# KiCad board Env-KB60C2.kicad_pcb
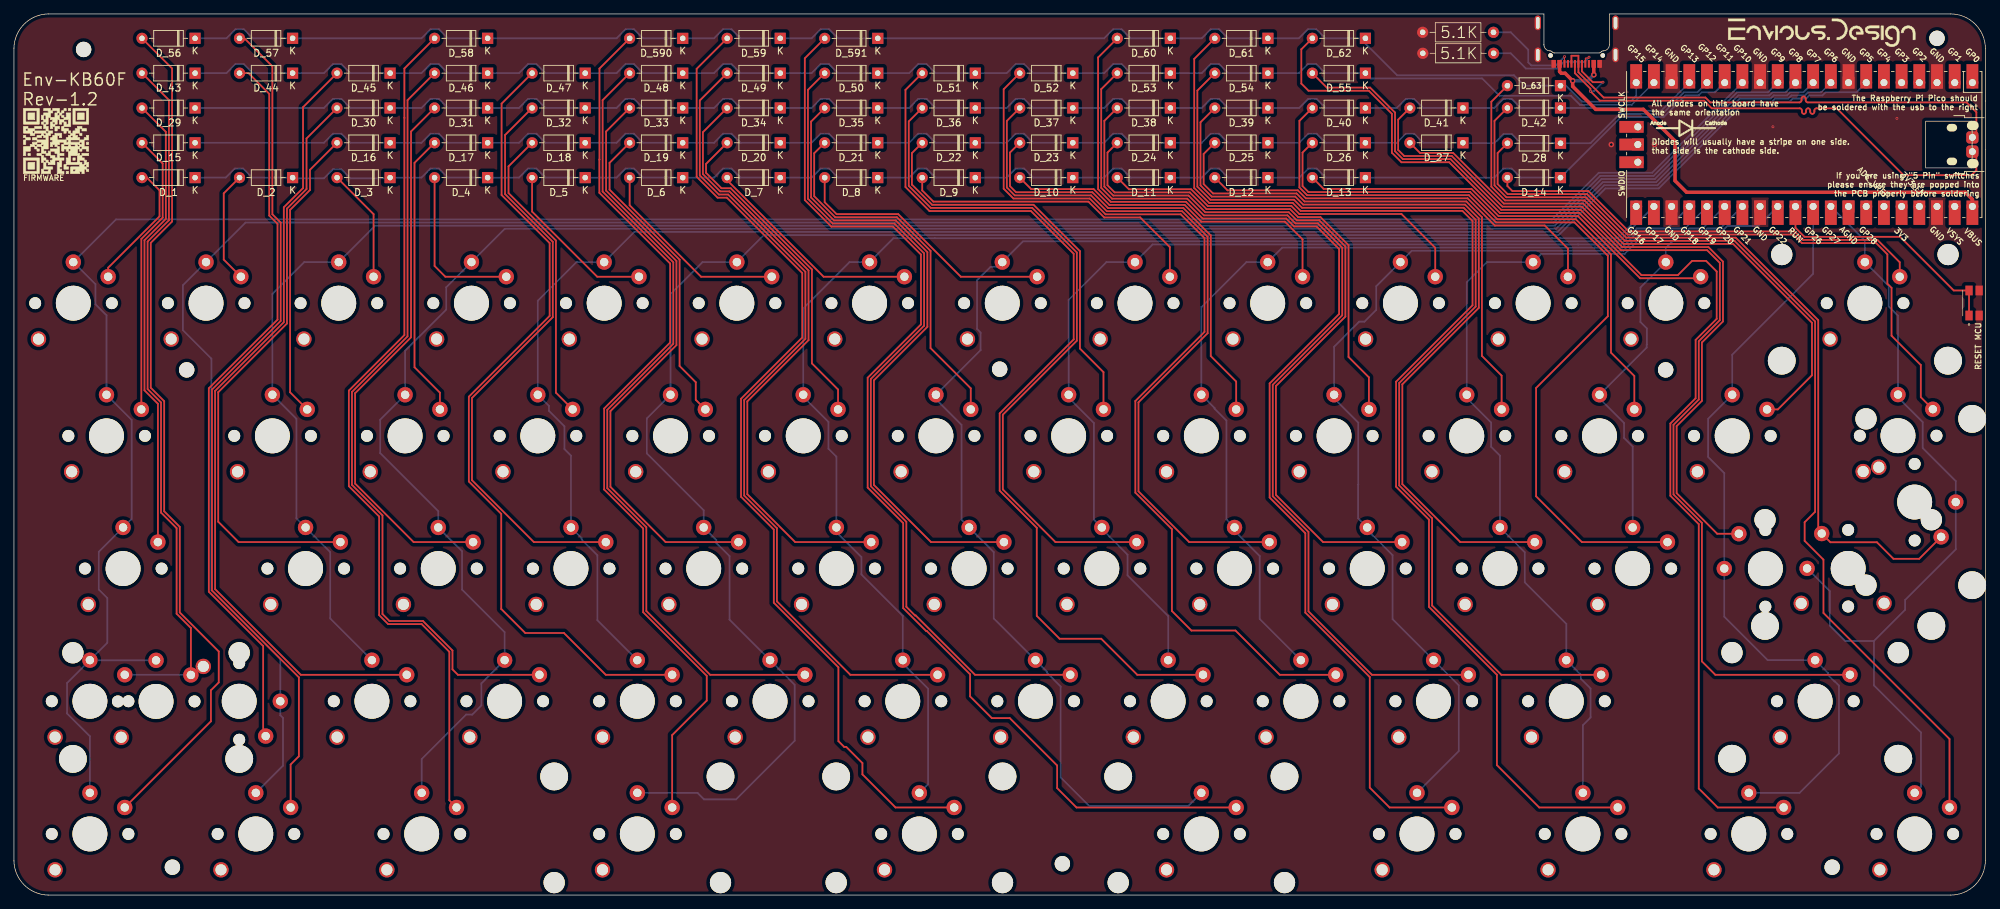
[diagram p0: board, top side]
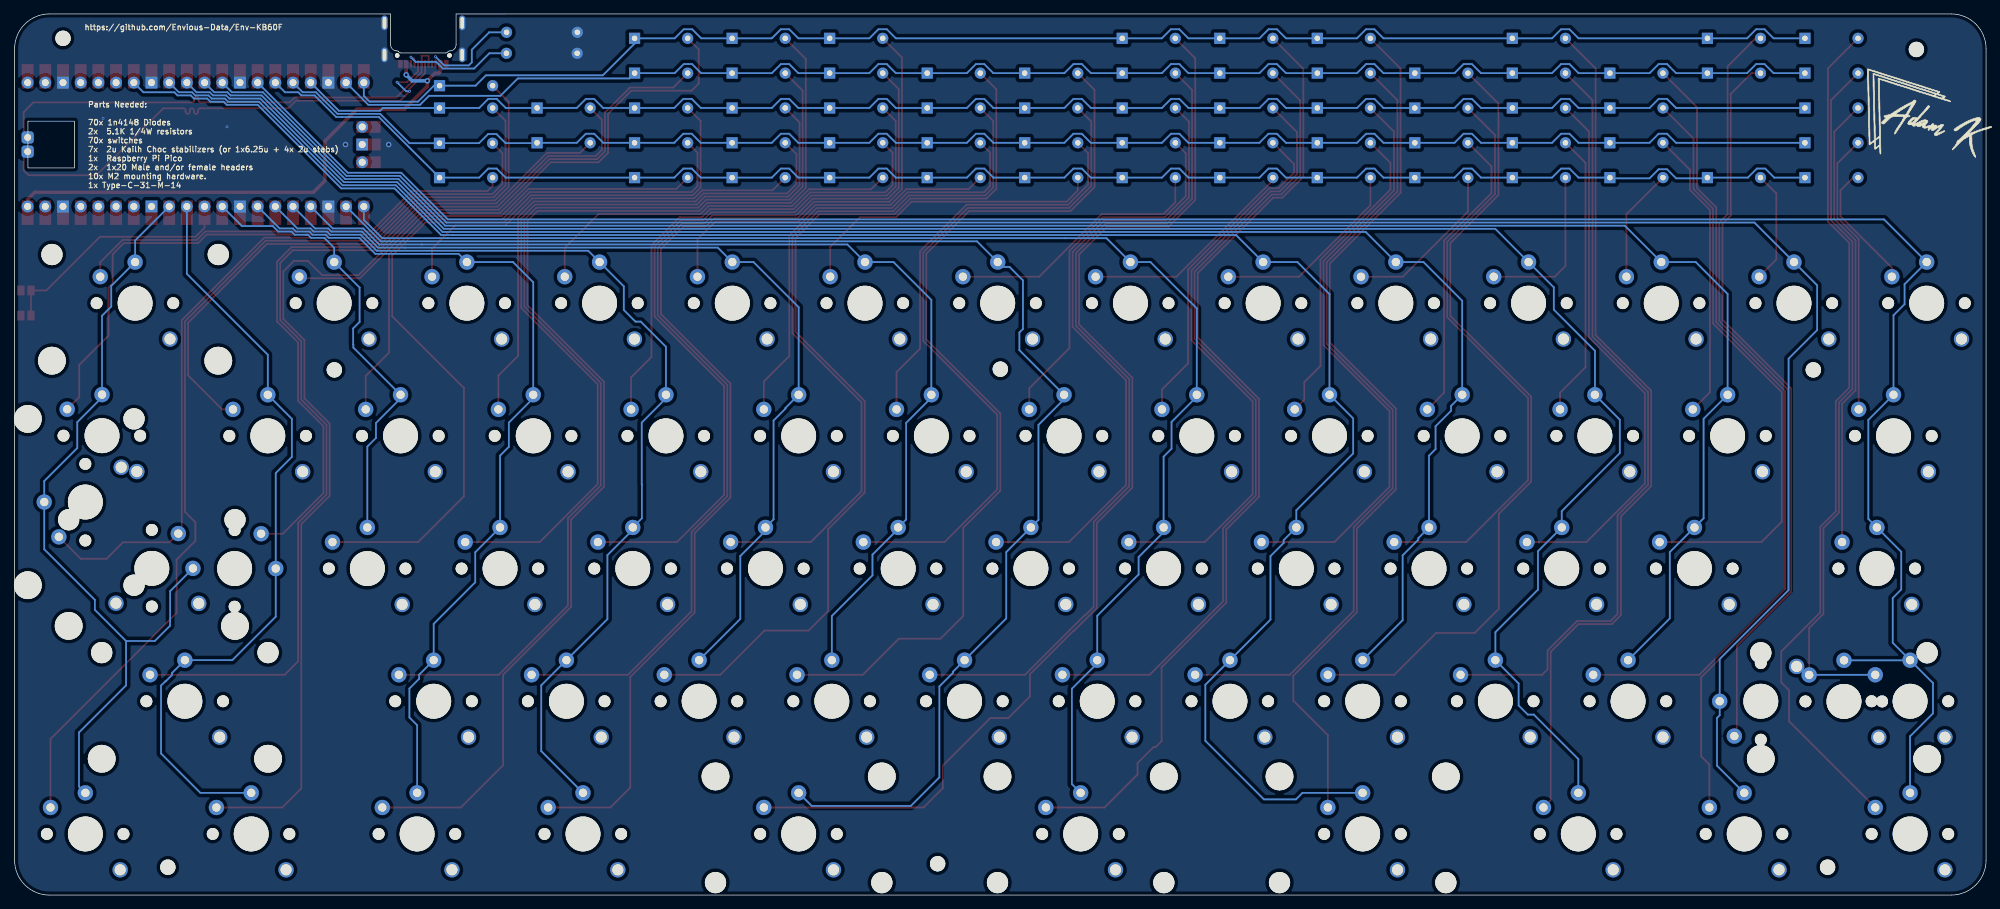
[diagram p1: board, bottom side, seen from below]

Outline 283 x 126.5 mm; copper layers: Top, Bottom. Coordinates in mm from the lower left corner of the outline.
Outline path: rectangle 274.41,111.1 281.09,104.4 ; 219.62,126.5 5,126.5 arc(1.46,125.04) 0,121.5 0,5 arc(1.46,1.46) 5,0 278,0 arc(281.54,1.46) 283,5 283,121.5 arc(281.54,125.04) 278,126.5 229.03,126.5
Stack: Top 0.035mm / dielectric 1.51mm FR4 er 4.5 / Bottom 0.035mm

## Placement (name value [footprint] x y rotation side)
5.1K1  5.1K 0402 Resistor  [R_Axial_DIN0207_L6.3mm_D2.5mm_P10.16mm_Horizontal]  212.4 120.85 180 top
5.1K2  5.1K 0402 Resistor  [R_Axial_DIN0207_L6.3mm_D2.5mm_P10.16mm_Horizontal]  202.22 123.86 0 top
D_1  D  [D_DO-35_SOD27_P7.62mm_Horizontal]  26 103 180 top
D_2  D  [D_DO-35_SOD27_P7.62mm_Horizontal]  40 103 180 top
D_3  D  [D_DO-35_SOD27_P7.62mm_Horizontal]  54 103 180 top
D_4  D  [D_DO-35_SOD27_P7.62mm_Horizontal]  68 103 180 top
D_5  D  [D_DO-35_SOD27_P7.62mm_Horizontal]  82 103 180 top
D_6  D  [D_DO-35_SOD27_P7.62mm_Horizontal]  96 103 180 top
D_7  D  [D_DO-35_SOD27_P7.62mm_Horizontal]  110 103 180 top
D_8  D  [D_DO-35_SOD27_P7.62mm_Horizontal]  124 103 180 top
D_9  D  [D_DO-35_SOD27_P7.62mm_Horizontal]  138 103 180 top
D_10  D  [D_DO-35_SOD27_P7.62mm_Horizontal]  152 103 180 top
D_11  D  [D_DO-35_SOD27_P7.62mm_Horizontal]  166 103 180 top
D_12  D  [D_DO-35_SOD27_P7.62mm_Horizontal]  180 103 180 top
D_13  D  [D_DO-35_SOD27_P7.62mm_Horizontal]  194 103 180 top
D_14  D  [D_DO-35_SOD27_P7.62mm_Horizontal]  222 103 180 top
D_15  D  [D_DO-35_SOD27_P7.62mm_Horizontal]  26 108 180 top
D_16  D  [D_DO-35_SOD27_P7.62mm_Horizontal]  54 108 180 top
D_17  D  [D_DO-35_SOD27_P7.62mm_Horizontal]  68 108 180 top
D_18  D  [D_DO-35_SOD27_P7.62mm_Horizontal]  82 108 180 top
D_19  D  [D_DO-35_SOD27_P7.62mm_Horizontal]  96 108 180 top
D_20  D  [D_DO-35_SOD27_P7.62mm_Horizontal]  110 108 180 top
D_21  D  [D_DO-35_SOD27_P7.62mm_Horizontal]  124 108 180 top
D_22  D  [D_DO-35_SOD27_P7.62mm_Horizontal]  138 108 180 top
D_23  D  [D_DO-35_SOD27_P7.62mm_Horizontal]  152 108 180 top
D_24  D  [D_DO-35_SOD27_P7.62mm_Horizontal]  166 108 180 top
D_25  D  [D_DO-35_SOD27_P7.62mm_Horizontal]  180 108 180 top
D_26  D  [D_DO-35_SOD27_P7.62mm_Horizontal]  194 108 180 top
D_27  D  [D_DO-35_SOD27_P7.62mm_Horizontal]  208 108 180 top
D_28  D  [D_DO-35_SOD27_P7.62mm_Horizontal]  222.01 107.94 180 top
D_29  D  [D_DO-35_SOD27_P7.62mm_Horizontal]  26 113 180 top
D_30  D  [D_DO-35_SOD27_P7.62mm_Horizontal]  54 113 180 top
D_31  D  [D_DO-35_SOD27_P7.62mm_Horizontal]  68 113 180 top
D_32  D  [D_DO-35_SOD27_P7.62mm_Horizontal]  82 113 180 top
D_33  D  [D_DO-35_SOD27_P7.62mm_Horizontal]  96 113 180 top
D_34  D  [D_DO-35_SOD27_P7.62mm_Horizontal]  110 113 180 top
D_35  D  [D_DO-35_SOD27_P7.62mm_Horizontal]  124 113 180 top
D_36  D  [D_DO-35_SOD27_P7.62mm_Horizontal]  138 113 180 top
D_37  D  [D_DO-35_SOD27_P7.62mm_Horizontal]  152 113 180 top
D_38  D  [D_DO-35_SOD27_P7.62mm_Horizontal]  166 113 180 top
D_39  D  [D_DO-35_SOD27_P7.62mm_Horizontal]  180 113 180 top
D_40  D  [D_DO-35_SOD27_P7.62mm_Horizontal]  194 113 180 top
D_41  D  [D_DO-35_SOD27_P7.62mm_Horizontal]  208 113 180 top
D_42  D  [D_DO-35_SOD27_P7.62mm_Horizontal]  222 113 180 top
D_43  D  [D_DO-35_SOD27_P7.62mm_Horizontal]  26 118 180 top
D_44  D  [D_DO-35_SOD27_P7.62mm_Horizontal]  40 118 180 top
D_45  D  [D_DO-35_SOD27_P7.62mm_Horizontal]  54 118 180 top
D_46  D  [D_DO-35_SOD27_P7.62mm_Horizontal]  68 118 180 top
D_47  D  [D_DO-35_SOD27_P7.62mm_Horizontal]  82 118 180 top
D_48  D  [D_DO-35_SOD27_P7.62mm_Horizontal]  96 118 180 top
D_49  D  [D_DO-35_SOD27_P7.62mm_Horizontal]  110 118 180 top
D_50  D  [D_DO-35_SOD27_P7.62mm_Horizontal]  124 118 180 top
D_51  D  [D_DO-35_SOD27_P7.62mm_Horizontal]  138 118 180 top
D_52  D  [D_DO-35_SOD27_P7.62mm_Horizontal]  152 118 180 top
D_53  D  [D_DO-35_SOD27_P7.62mm_Horizontal]  166 118 180 top
D_54  D  [D_DO-35_SOD27_P7.62mm_Horizontal]  180 118 180 top
D_55  D  [D_DO-35_SOD27_P7.62mm_Horizontal]  194 118 180 top
D_56  D  [D_DO-35_SOD27_P7.62mm_Horizontal]  26 123 180 top
D_57  D  [D_DO-35_SOD27_P7.62mm_Horizontal]  40 123 180 top
D_58  D  [D_DO-35_SOD27_P7.62mm_Horizontal]  68 123 180 top
D_59  D  [D_DO-35_SOD27_P7.62mm_Horizontal]  110 123 180 top
D_60  D  [D_DO-35_SOD27_P7.62mm_Horizontal]  166 123 180 top
D_61  D  [D_DO-35_SOD27_P7.62mm_Horizontal]  180 123 180 top
D_62  D  [D_DO-35_SOD27_P7.62mm_Horizontal]  194 123 180 top
D_63  D  [D_DO-35_SOD27_P7.62mm_Horizontal]  222 116.2 180 top
D_590  D  [D_DO-35_SOD27_P7.62mm_Horizontal]  96 122.99 180 top
D_591  D  [D_DO-35_SOD27_P7.62mm_Horizontal]  124 122.99 180 top
G***  LOGO  [diode]  240 110.1 0 top
G***#2  LOGO  [firmware-qrcode]  6.05 108.25 0 top
G***#3  LOGO  [logo]  7.98 112 180 bottom
H1  MountingHole  [MountingHole_2.2mm_M2-MODIFIED]  150.5 4.5 0 top
H2  MountingHole  [MountingHole_2.2mm_M2-MODIFIED]  22.75 4 0 top
H3  MountingHole  [MountingHole_2.2mm_M2-MODIFIED]  10 121.4 0 top
H4  MountingHole  [MountingHole_2.2mm_M2-MODIFIED]  24.8 75.4 0 top
H6  MountingHole  [MountingHole_2.2mm_M2-MODIFIED]  261 4 0 top
H9  MountingHole  [MountingHole_2.2mm_M2-MODIFIED]  141.5 75.5 0 top
H10  MountingHole  [MountingHole_2.2mm_M2-MODIFIED]  237.1 75.4 0 top
H11  MountingHole  [MountingHole_2.2mm_M2-MODIFIED]  276.05 123 0 top
K_1  KEYSW  [SW_Kailh_Choc_V2]  8.53 84.97 0 top
K_2  KEYSW  [SW_Kailh_Choc_V2]  27.58 84.97 0 top
K_3  KEYSW  [SW_Kailh_Choc_V2]  46.62 84.97 0 top
K_4  KEYSW  [SW_Kailh_Choc_V2]  65.68 84.97 0 top
K_5  KEYSW  [SW_Kailh_Choc_V2]  84.72 84.97 0 top
K_6  KEYSW  [SW_Kailh_Choc_V2]  103.78 84.97 0 top
K_7  KEYSW  [SW_Kailh_Choc_V2]  122.82 84.97 0 top
K_8  KEYSW  [SW_Kailh_Choc_V2]  141.88 84.97 0 top
K_9  KEYSW  [SW_Kailh_Choc_V2]  160.93 84.97 0 top
K_10  KEYSW  [SW_Kailh_Choc_V2]  179.98 84.97 0 top
K_11  KEYSW  [SW_Kailh_Choc_V2]  199.02 84.97 0 top
K_12  KEYSW  [SW_Kailh_Choc_V2]  218.07 84.97 0 top
K_13  KEYSW  [SW_Kailh_Choc_V2]  237.12 84.97 0 top
K_14  KEYSW  [SW_Kailh_Choc_V2]  265.7 84.97 0 top
K_15  KEYSW  [SW_Kailh_Choc_V2]  13.29 65.92 0 top
K_16  KEYSW  [SW_Kailh_Choc_V2]  37.1 65.92 0 top
K_17  KEYSW  [SW_Kailh_Choc_V2]  56.15 65.92 0 top
K_18  KEYSW  [SW_Kailh_Choc_V2]  75.2 65.92 0 top
K_19  KEYSW  [SW_Kailh_Choc_V2]  94.25 65.92 0 top
K_20  KEYSW  [SW_Kailh_Choc_V2]  113.3 65.92 0 top
K_21  KEYSW  [SW_Kailh_Choc_V2]  132.35 65.92 0 top
K_22  KEYSW  [SW_Kailh_Choc_V2]  151.4 65.92 0 top
K_23  KEYSW  [SW_Kailh_Choc_V2]  170.45 65.92 0 top
K_24  KEYSW  [SW_Kailh_Choc_V2]  189.5 65.92 0 top
K_25  KEYSW  [SW_Kailh_Choc_V2]  208.55 65.92 0 top
K_26  KEYSW  [SW_Kailh_Choc_V2]  227.6 65.92 0 top
K_27  KEYSW  [SW_Kailh_Choc_V2]  246.65 65.92 0 top
K_28  KEYSW  [SW_Kailh_Choc_V2]  270.45 65.95 0 top
K_29  KEYSW  [SW_Kailh_Choc_V2]  263.3 46.9 90 top
K_30  KEYSW  [SW_Kailh_Choc_V2]  15.67 46.88 0 top
K_31  KEYSW  [SW_Kailh_Choc_V2]  41.86 46.88 0 top
K_32  KEYSW  [SW_Kailh_Choc_V2]  60.91 46.88 0 top
K_33  KEYSW  [SW_Kailh_Choc_V2]  79.96 46.88 0 top
K_34  KEYSW  [SW_Kailh_Choc_V2]  99.01 46.88 0 top
K_35  KEYSW  [SW_Kailh_Choc_V2]  118.06 46.88 0 top
K_36  KEYSW  [SW_Kailh_Choc_V2]  137.11 46.88 0 top
K_37  KEYSW  [SW_Kailh_Choc_V2]  156.16 46.88 0 top
K_38  KEYSW  [SW_Kailh_Choc_V2]  175.21 46.88 0 top
K_39  KEYSW  [SW_Kailh_Choc_V2]  194.26 46.88 0 top
K_40  KEYSW  [SW_Kailh_Choc_V2]  213.31 46.88 0 top
K_41  KEYSW  [SW_Kailh_Choc_V2]  232.36 46.88 0 top
K_42  KEYSW  [SW_Kailh_Choc_V2]  251.41 46.88 90 top
K_43  KEYSW  [SW_Kailh_Choc_V2]  272.84 56.42 270 top
K_44  KEYSW  [SW_Kailh_Choc_V2]  20.4 27.8 0 top
K_45  KEYSW  [SW_Kailh_Choc_V2]  10.91 27.82 0 top
K_46  KEYSW  [SW_Kailh_Choc_V2]  32.34 27.82 270 top
K_47  KEYSW  [SW_Kailh_Choc_V2]  51.39 27.82 0 top
K_48  KEYSW  [SW_Kailh_Choc_V2]  70.44 27.82 0 top
K_49  KEYSW  [SW_Kailh_Choc_V2]  89.49 27.82 0 top
K_50  KEYSW  [SW_Kailh_Choc_V2]  108.54 27.82 0 top
K_51  KEYSW  [SW_Kailh_Choc_V2]  127.59 27.82 0 top
K_52  KEYSW  [SW_Kailh_Choc_V2]  146.64 27.82 0 top
K_53  KEYSW  [SW_Kailh_Choc_V2]  165.69 27.82 0 top
K_54  KEYSW  [SW_Kailh_Choc_V2]  184.74 27.82 0 top
K_55  KEYSW  [SW_Kailh_Choc_V2]  203.79 27.82 0 top
K_56  KEYSW  [SW_Kailh_Choc_V2]  222.84 27.82 0 top
K_57  KEYSW  [SW_Kailh_Choc_V2]  258.56 27.82 0 top
K_58  KEYSW  [SW_Kailh_Choc_V2]  10.91 8.78 0 top
K_59  KEYSW  [SW_Kailh_Choc_V2]  34.72 8.78 0 top
K_60  KEYSW  [SW_Kailh_Choc_V2]  58.53 8.78 0 top
K_61  KEYSW  [SW_Kailh_Choc_V2]  129.97 8.78 0 top
K_62  KEYSW  [SW_Kailh_Choc_V2]  201.41 8.78 0 top
K_63  KEYSW  [SW_Kailh_Choc_V2]  225.22 8.78 0 top
K_64  KEYSW  [SW_Kailh_Choc_V2]  249.03 8.78 0 top
K_65  KEYSW  [SW_Kailh_Choc_V2]  272.84 8.78 0 top
K_610  KEYSW  [SW_Kailh_Choc_V2]  89.49 8.78 0 top
K_612  KEYSW  [SW_Kailh_Choc_V2]  170.45 8.78 0 top
kibuzzard-627518B3  G***  [kibuzzard-627518B3]  259.5 123.8 0 top
stab1  MX Stabilizer  [Stabilizer_Cherry_MX_2u]  89.49 8.78 180 top
stab2  MX Stabilizer  [Stabilizer_Cherry_MX_2u]  265.7 84.97 0 top
stab3  MX Stabilizer  [Stabilizer_Cherry_MX_2u]  20.4 27.8 0 top
stab4  MX Stabilizer  [Stabilizer_Cherry_MX_2u]  272.84 56.42 90 top
stab5  MX Stabilizer  [Stabilizer_Cherry_MX_2u]  263.3 46.9 0 top
stab6  MX Stabilizer  [Stabilizer_Cherry_MX_2u]  129.97 8.78 180 top
stab7  MX Stabilizer  [Stabilizer_Cherry_MX_2u]  170.45 8.78 180 top
stab8  MX Stabilizer  [Stabilizer_Cherry_MX_2u]  258.56 27.82 0 top
SW1  EVQ-P7A01P  [Panasonic-EVQ-P7A01P-0-0-MFG]  281.7 85 90 top
U1  Pico  [RPi_Pico_SMD_TH_MODIFIED]  257 107.75 270 top
USB1  HRO-TYPE-C-31-M-14  [USB_C_TYPE-C-31-M-14]  224.32 122.2 180 top

## Library data of the parts
USB1 = -: LCSC: C319148; MPN: U262-161N-4BVC11; Manufacturer: XKB Enterprise

## Footprints (pads in the part's own frame, mm; a bottom-side part is the same pattern mirrored in y, then rotated)
D_DO-35_SOD27_P7.62mm_Horizontal
  rect 1.6x1.6 hole 0.8: 1(0,0)
  oval 1.6x1.6 hole 0.8: 2(7.62,0)
MountingHole_2.2mm_M2-MODIFIED
  round 2.2 hole 2.2 unplated: (0,0)
Panasonic-EVQ-P7A01P-0-0-MFG
  rect 1.4x1.05 smd: 1(-1.8,1.05) 1'(1.8,1.05) 2(-1.8,-0.4) 2'(1.8,-0.4)
R_Axial_DIN0207_L6.3mm_D2.5mm_P10.16mm_Horizontal
  round 1.6 hole 0.8: 1(0,0)
  oval 1.6x1.6 hole 0.8: 2(10.16,0)
RPi_Pico_SMD_TH_MODIFIED
  oval 1.35x1.7 smd: (-2.73,24.19) (2.73,24.19)
  oval 1.1x1.5 smd: (-2.42,21.19) (2.42,21.19)
  oval 1.7x1.7 hole 1.02: 1(-8.89,24.13) 2(-8.89,21.59) 4(-8.89,16.51) 5(-8.89,13.97) 6(-8.89,11.43) 7(-8.89,8.89) 9(-8.89,3.81) 10(-8.89,1.27) 11(-8.89,-1.27) 12(-8.89,-3.81) 14(-8.89,-8.89) 15(-8.89,-11.43) 16(-8.89,-13.97) 17(-8.89,-16.51) 19(-8.89,-21.59) 20(-8.89,-24.13) 21(8.89,-24.13) 22(8.89,-21.59) 24(8.89,-16.51) 25(8.89,-13.97) 26(8.89,-11.43) 27(8.89,-8.89) 29(8.89,-3.81) 30(8.89,-1.27) 31(8.89,1.27) 32(8.89,3.81) 34(8.89,8.89) 35(8.89,11.43) 36(8.89,13.97) 37(8.89,16.51) 39(8.89,21.59) 40(8.89,24.13) 41(-2.54,-23.9) 43(2.54,-23.9)
  rect 3.5x1.7 smd: 1(-8.89,24.13) 2(-8.89,21.59) 3(-8.89,19.05) 4(-8.89,16.51) 5(-8.89,13.97) 6(-8.89,11.43) 7(-8.89,8.89) 8(-8.89,6.35) 9(-8.89,3.81) 10(-8.89,1.27) 11(-8.89,-1.27) 12(-8.89,-3.81) 13(-8.89,-6.35) 14(-8.89,-8.89) 15(-8.89,-11.43) 16(-8.89,-13.97) 17(-8.89,-16.51) 18(-8.89,-19.05) 19(-8.89,-21.59) 20(-8.89,-24.13) 21(8.89,-24.13) 22(8.89,-21.59) 23(8.89,-19.05) 24(8.89,-16.51) 25(8.89,-13.97) 26(8.89,-11.43) 27(8.89,-8.89) 28(8.89,-6.35) 29(8.89,-3.81) 30(8.89,-1.27) 31(8.89,1.27) 32(8.89,3.81) 33(8.89,6.35) 34(8.89,8.89) 35(8.89,11.43) 36(8.89,13.97) 37(8.89,16.51) 38(8.89,19.05) 39(8.89,21.59) 40(8.89,24.13)
  rect 1.7x1.7 hole 1.02: 3(-8.89,19.05) 8(-8.89,6.35) 13(-8.89,-6.35) 18(-8.89,-19.05) 23(8.89,-19.05) 28(8.89,-6.35) 33(8.89,6.35) 38(8.89,19.05) 42(0,-23.9)
  rect 1.7x3.5 smd: 41(-2.54,-23.9) 42(0,-23.9) 43(2.54,-23.9)
  rrect 1.75x1.75 hole 1: TP2(1.016,24.125) TP3(-1.016,24.125)
Stabilizer_Cherry_MX_2u
  round 3.048 hole 3.048 unplated: (-11.938,6.985) (11.938,6.985)
  round 3.988 hole 3.988 unplated: (-11.938,-8.255) (11.938,-8.255)
SW_Kailh_Choc_V2
  round 1.702 hole 1.702 unplated: (-5.475,0) (5.525,0)
  round 2.2 hole 1.6: (-5,-5.15)
  round 5 hole 5 unplated: (0,0)
  round 2.2 hole 1.2: 1(0,5.9) 2(5,3.8)
USB_C_TYPE-C-31-M-14
  oval 1.2x2.4 smd: (-5.675,1.58) (-5.675,-3.02) (5.675,1.58) (5.675,-3.02)
  round 0.65 hole 0.65 unplated: (-3.75,1.66) (3.75,1.66)
  rect 0.6x1.1 smd: A1(-3.3,2.86) A4(-2.45,2.86) A9(2.45,2.86) A12(3.3,2.86) B1(3.3,2.86) B4(2.45,2.86) B9(-2.45,2.86) B12(-3.3,2.86)
  rect 0.3x1.1 smd: A5(-1.25,2.86) A6(-0.25,2.86) A7(0.25,2.86) A8(1.25,2.86) B5(1.75,2.86) B6(0.75,2.86) B7(-0.75,2.86) B8(-1.75,2.86)
  oval 0.9x2.1 hole 0.5x1.7: S1(-5.575,1.58) S1(-5.575,-3.02) S1(5.575,1.58) S1(5.575,-3.02)

## Nets
GND: 5.1K1.2 5.1K2.1 SW1.2 SW1.2' U1.3 U1.8 U1.13 U1.18 U1.23 U1.28 U1.38 USB1.A1 USB1.A12 USB1.B1 USB1.B12 USB1.S1
VBUS: U1.40 USB1.A4 USB1.A9 USB1.B4 USB1.B9
col0: K_1.1 K_15.1 K_30.1 K_44.1 K_45.1 K_58.1 U1.14
col1: K_2.1 K_46.1 K_59.1 U1.12
col2: K_3.1 K_16.1 K_31.1 K_47.1 U1.11
col3: K_4.1 K_17.1 K_32.1 K_48.1 K_60.1 U1.10
col4: K_5.1 K_18.1 K_33.1 K_49.1 U1.9
col5: K_6.1 K_19.1 K_34.1 K_50.1 K_610.1 U1.7
col6: K_7.1 K_20.1 K_35.1 K_51.1 K_61.1 U1.21
col7: K_8.1 K_21.1 K_36.1 K_52.1 K_612.1 U1.22
col8: K_9.1 K_22.1 K_37.1 K_53.1 U1.24
col9: K_10.1 K_23.1 K_38.1 K_54.1 U1.25
col10: K_11.1 K_24.1 K_39.1 K_55.1 K_62.1 U1.26
col11: K_12.1 K_25.1 K_40.1 K_56.1 K_63.1 U1.27
col12: K_13.1 K_26.1 K_41.1 U1.29
col13: K_27.1 K_42.1 K_57.1 K_64.1 U1.31
col14: K_14.1 K_28.1 K_29.1 K_43.1 K_65.1 U1.32
row0: D_1.1 D_2.1 D_3.1 D_4.1 D_5.1 D_6.1 D_7.1 D_8.1 D_9.1 D_10.1 D_11.1 D_12.1 D_13.1 D_14.1 U1.15
row1: D_15.1 D_16.1 D_17.1 D_18.1 D_19.1 D_20.1 D_21.1 D_22.1 D_23.1 D_24.1 D_25.1 D_26.1 D_27.1 D_28.1 U1.16
row2: D_29.1 D_30.1 D_31.1 D_32.1 D_33.1 D_34.1 D_35.1 D_36.1 D_37.1 D_38.1 D_39.1 D_40.1 D_41.1 D_42.1 U1.17
row3: D_43.1 D_44.1 D_45.1 D_46.1 D_47.1 D_48.1 D_49.1 D_50.1 D_51.1 D_52.1 D_53.1 D_54.1 D_55.1 U1.19
row4: D_56.1 D_57.1 D_58.1 D_59.1 D_60.1 D_61.1 D_62.1 D_63.1 D_590.1 D_591.1 U1.20
RUNPIN: SW1.1 SW1.1' U1.30
USB2_N: U1.TP2 USB1.A7 USB1.B7
USB2_P: U1.TP3 USB1.A6 USB1.B6
Net-(5.1K1-Pad1): 5.1K1.1 USB1.A5
Net-(5.1K2-Pad2): 5.1K2.2 USB1.B5
Net-(D_1-Pad2): D_1.2 K_1.2
Net-(D_2-Pad2): D_2.2 K_2.2
Net-(D_3-Pad2): D_3.2 K_3.2
Net-(D_4-Pad2): D_4.2 K_4.2
Net-(D_5-Pad2): D_5.2 K_5.2
Net-(D_6-Pad2): D_6.2 K_6.2
Net-(D_7-Pad2): D_7.2 K_7.2
Net-(D_8-Pad2): D_8.2 K_8.2
Net-(D_9-Pad2): D_9.2 K_9.2
Net-(D_10-Pad2): D_10.2 K_10.2
Net-(D_11-Pad2): D_11.2 K_11.2
Net-(D_12-Pad2): D_12.2 K_12.2
Net-(D_13-Pad2): D_13.2 K_13.2
Net-(D_14-Pad2): D_14.2 K_14.2
Net-(D_15-Pad2): D_15.2 K_15.2
Net-(D_16-Pad2): D_16.2 K_16.2
Net-(D_17-Pad2): D_17.2 K_17.2
Net-(D_18-Pad2): D_18.2 K_18.2
Net-(D_19-Pad2): D_19.2 K_19.2
Net-(D_20-Pad2): D_20.2 K_20.2
Net-(D_21-Pad2): D_21.2 K_21.2
Net-(D_22-Pad2): D_22.2 K_22.2
Net-(D_23-Pad2): D_23.2 K_23.2
Net-(D_24-Pad2): D_24.2 K_24.2
Net-(D_25-Pad2): D_25.2 K_25.2
Net-(D_26-Pad2): D_26.2 K_26.2
Net-(D_27-Pad2): D_27.2 K_27.2
Net-(D_28-Pad2): D_28.2 K_28.2
Net-(D_29-Pad2): D_29.2 K_30.2
Net-(D_30-Pad2): D_30.2 K_31.2
Net-(D_31-Pad2): D_31.2 K_32.2
Net-(D_32-Pad2): D_32.2 K_33.2
Net-(D_33-Pad2): D_33.2 K_34.2
Net-(D_34-Pad2): D_34.2 K_35.2
Net-(D_35-Pad2): D_35.2 K_36.2
Net-(D_36-Pad2): D_36.2 K_37.2
Net-(D_37-Pad2): D_37.2 K_38.2
Net-(D_38-Pad2): D_38.2 K_39.2
Net-(D_39-Pad2): D_39.2 K_40.2
Net-(D_40-Pad2): D_40.2 K_41.2
Net-(D_41-Pad2): D_41.2 K_42.2
Net-(D_42-Pad2): D_42.2 K_29.2 K_43.2
Net-(D_43-Pad2): D_43.2 K_44.2 K_45.2
Net-(D_44-Pad2): D_44.2 K_46.2
Net-(D_45-Pad2): D_45.2 K_47.2
Net-(D_46-Pad2): D_46.2 K_48.2
Net-(D_47-Pad2): D_47.2 K_49.2
Net-(D_48-Pad2): D_48.2 K_50.2
Net-(D_49-Pad2): D_49.2 K_51.2
Net-(D_50-Pad2): D_50.2 K_52.2
Net-(D_51-Pad2): D_51.2 K_53.2
Net-(D_52-Pad2): D_52.2 K_54.2
Net-(D_53-Pad2): D_53.2 K_55.2
Net-(D_54-Pad2): D_54.2 K_56.2
Net-(D_55-Pad2): D_55.2 K_57.2
Net-(D_56-Pad2): D_56.2 K_58.2
Net-(D_57-Pad2): D_57.2 K_59.2
Net-(D_58-Pad2): D_58.2 K_60.2
Net-(D_59-Pad2): D_59.2 K_61.2
Net-(D_60-Pad2): D_60.2 K_62.2
Net-(D_61-Pad2): D_61.2 K_63.2
Net-(D_62-Pad2): D_62.2 K_64.2
Net-(D_63-Pad2): D_63.2 K_65.2
Net-(D_590-Pad2): D_590.2 K_610.2
Net-(D_591-Pad2): D_591.2 K_612.2

Pads without a net: U1 1 2 4 5 6 33 34 35 36 37 39 41 42 43; USB1 A8 B8

## Via types
v1: diameter 0.4, hole 0.2, Top to Bottom, 6 vias
v2: diameter 0.8, hole 0.4, Top to Bottom, 4 vias

## Routing (per net, layer and track width the routed paths; a pad name or vN(x,y) marks a point on that pad's centre or on a via; arc(x,y) is an arc through that point)
GND:
  vias: v1(252.5,110.3) v1(270.3,111.5) v2(229.3,107.75) v2(235.5,107.75)
VBUS: length 77.8
  Top w0.5: v2(226.79,117.77) 226.77,117.78 USB1.A4 ; U1.40 281.13,99.87 280.1,100.9 240.1,100.9 238.45,102.55 238.45,108.25 233.9,112.8 227.06,112.8 223.75,116.11 v2(223.75,116.9) 222.67,117.98 222.12,117.98 221.88,118.22 USB1.A9
  Bottom w0.5: v2(226.79,117.77) 225.92,116.9 v2(223.75,116.9)
col0: length 345.6
  Bottom w0.25: U1.14 235.17,103.7 227.5,103.7 220.8,97 14.65,97 K_1.1 11.7,87.7 11.7,84.83 13.29,83.24 K_15.1 16.9,68.21 16.9,54.01 K_30.1 12.17,49.28 12.17,43.88 13.4,42.65 13.4,36.22 K_45.1 7.62,30.44 7.62,26.07 10.91,22.79 K_58.1 ; K_44.1 10.93,33.7
col1: length 321.4
  Bottom w0.25: K_59.1 38.62,18.58 38.62,25.43 38.24,25.81 K_46.1 38.24,33.89 28.35,43.78 28.35,77 24.25,81.1 24.25,87.55 K_2.1 33.25,96.55 221,96.55 227.7,103.25 235.36,103.25 247.36,115.25 251.8,115.25 U1.12
col2: length 289.7
  Bottom w0.25: U1.11 254.34,115.25 252.44,115.25 251.99,114.8 247.54,114.8 235.54,102.8 227.89,102.8 221.19,96.1 51.85,96.1 K_3.1 41.67,90.88 37.1,86.3 K_16.1 40.55,68.38 40.55,54.09 K_31.1 45.4,49.24 45.4,39.71 K_47.1
col3: length 297.7
  Bottom w0.25: K_60.1 58.53,19.53 64.91,25.91 65.79,25.91 67.1,27.22 67.1,30.39 K_48.1 70.44,37.74 64.32,43.85 64.32,49.36 K_32.1 60.91,55.11 52.57,63.45 52.57,68.25 K_17.1 56.15,78.15 62.05,84.05 62.05,87.25 K_4.1 70.45,95.65 221.38,95.65 228.08,102.35 235.73,102.35 247.73,114.35 252.17,114.35 252.62,114.8 254.53,114.8 254.98,115.25 256.88,115.25 U1.10
col4: length 256.1
  Bottom w0.25: K_49.1 83.75,39.46 83.75,48.78 81.5,51.03 81.5,51.24 K_33.1 79.96,63.09 79.03,64.03 79.03,67.3 76.8,69.53 76.8,70.22 K_18.1 75.2,85.33 80.75,90.88 K_5.1 89.05,95.2 221.57,95.2 228.27,101.9 235.92,101.9 247.92,113.9 252.36,113.9 252.81,114.35 254.71,114.35 255.16,114.8 257.07,114.8 257.52,115.25 259.42,115.25 U1.9
col5: length 285
  Bottom w0.25: K_610.1 98.12,14.68 99.06,13.74 103.66,13.74 112.07,22.15 112.07,30.19 K_50.1 102.72,39.54 102.72,48.66 100.83,50.55 100.83,50.96 K_34.1 99.01,55.24 90.85,63.4 90.85,68.42 K_19.1 94.25,86.28 98.85,90.88 K_6.1 107.65,94.75 221.75,94.75 228.45,101.45 236.1,101.45 248.1,113.45 252.55,113.45 253,113.9 254.9,113.9 255.35,114.35 257.25,114.35 257.7,114.8 259.61,114.8 260.06,115.25 264.5,115.25 U1.7
col6: length 202.8
  Bottom w0.25: K_51.1 127.59,40.09 121.65,46.03 121.65,48.53 118.06,52.11 ; U1.21 232.87,96.96 230.21,94.3 221.94,94.3 221.94,94.3 220.8,94.3 132.2,94.3 126.25,94.3 K_7.1 119.95,90.88 113.3,84.22 K_20.1 ; K_61.1 131.22,15.93 131.22,29.62 127.59,33.26 ; 113.3,71.55 116.93,67.92 116.93,64.08 118.06,62.94 K_35.1
col7: length 205.2
  Bottom w0.25: U1.22 230.4,93.85 144.85,93.85 K_8.1 141.18,90.17 140.18,90.17 138.25,88.25 138.25,81.28 138.76,80.76 138.76,78.24 K_21.1 ; 132.35,71.17 136.03,67.5 136.03,53.86 K_36.1 140.65,49.24 140.65,39.71 K_52.1 148.3,32.06 148.3,31.9 150.25,29.95 150.25,16.9 154.35,12.8 168.57,12.8 K_612.1
col8: length 151.7
  Bottom w0.25: K_53.1 165.69,40.06 159.85,45.9 159.85,48.88 156.16,52.56 ; U1.24 237.33,95.7 232.95,95.7 230.65,93.4 224.55,93.4 163.45,93.4 K_9.1 156.82,90.88 151.4,85.45 K_22.1 ; K_37.1 155.03,53.91 155.03,67.78 151.4,71.4
col9: length 134.7
  Bottom w0.25: U1.25 239.87,95.7 237.97,95.7 237.52,95.25 233.14,95.25 230.84,92.95 226.95,92.95 182.05,92.95 K_10.1 176.93,90.88 170.45,84.4 K_23.1 172.35,69.92 172.35,69.83 174.05,68.12 174.05,53.94 K_38.1 ; 175.21,52.29 178.82,48.67 178.82,39.64 K_54.1
col10: length 139.5
  Bottom w0.25: K_62.1 207.4,20.67 207.4,30.11 K_55.1 197.9,39.61 197.9,48.8 194.26,52.44 ; K_39.1 192.95,54.09 192.95,58.92 192.98,58.95 192.98,67.83 189.5,71.3 ; K_24.1 189.5,78.72 193.1,82.33 193.88,82.33 195.55,84 195.55,87.4 K_11.1 200.65,92.5 231.02,92.5 233.32,94.8 237.7,94.8 238.15,95.25 240.06,95.25 240.51,95.7 242.41,95.7 U1.26
col11: length 124.7
  Bottom w0.25: K_25.1 208.55,87.97 211.45,90.88 K_12.1 219.25,92.05 231.21,92.05 233.51,94.35 237.89,94.35 238.34,94.8 240.24,94.8 240.69,95.25 242.6,95.25 243.05,95.7 244.95,95.7 U1.27 ; 208.55,71.33 212.05,67.83 212.05,64.35 213.31,63.09 K_40.1 216.88,49.21 216.88,44.9 222.84,38.94 K_56.1 224.93,31.64 224.93,31.05 226.32,29.65 226.32,25.5 225.22,24.39 K_63.1
col12: length 64.8
  Bottom w0.25: K_41.1 232.36,64.39 231.12,65.62 231.12,67.78 227.6,71.3 ; U1.29 250.38,96.05 245.94,96.05 245.14,95.25 243.25,95.25 242.8,94.8 241.18,94.8 240.88,94.8 240.43,94.35 238.55,94.35 237.12,92.93 K_13.1 233.48,87.22 233.48,82.28 234.4,81.35 234.4,79.05 234.38,79.03 234.38,78.6 K_26.1
col13: length 111.9
  Bottom w0.25: U1.31 258.27,89.19 246.65,77.58 K_27.1 243.2,68.38 243.2,62.9 245.51,60.59 K_42.1 245.51,39.96 251.75,33.72 K_57.1 260.43,31.86 260.43,31.58 261.32,30.68 261.38,30.68 261.98,30.07 261.98,20.32 256.32,14.68 K_64.1
col14: length 116.1
  Bottom w0.25: 267,36.47 267,30.1 273.75,23.35 273.75,15.58 K_65.1 ; 267,36.47 262.88,36.47 260.68,38.67 260.68,43.62 K_29.1 ; 267,36.47 271.48,40.95 271.48,42.38 278.74,49.64 K_43.1 278.74,59.43 274,64.17 274,67.9 270.45,71.45 ; U1.32 265.7,93.97 K_14.1 269.12,87.45 269.12,84.5 270.45,83.17 K_28.1
row0: length 239.2
  Bottom w0.25: 25.9,103 30.4,103 31.7,104.3 32.9,104.3 34.2,103 39.9,103 ; 40,102.9 44.5,102.9 45.8,104.2 47,104.2 48.3,102.9 54,102.9 ; U1.15 244.18,115.25 242.28,115.25 241.83,114.8 239.92,114.8 236.82,111.7 236,111.7 230.7,111.7 D_14.1 216.3,103 215,104.3 213.8,104.3 212.5,103 D_13.1 188.3,103 187,104.3 185.8,104.3 184.5,103 D_12.1 174.3,103 173,104.3 171.8,104.3 170.5,103 D_11.1 160.3,103 159,104.3 157.8,104.3 156.5,103 D_10.1 146.3,103 145,104.3 143.8,104.3 142.5,103 D_9.1 132.3,103 131,104.3 129.8,104.3 128.5,103 D_8.1 118.3,103 117,104.3 115.8,104.3 114.5,103 D_7.1 104.3,103 103,104.3 101.8,104.3 100.5,103 D_6.1 90.3,103 89,104.3 87.8,104.3 86.5,103 D_5.1 76.3,103 75,104.3 73.8,104.3 72.5,103 D_4.1 62.3,103 61,104.3 59.8,104.3 58.5,103 D_3.1
row1: length 234.6
  Bottom w0.25: D_27.1 202.3,108 201,109.3 199.8,109.3 198.5,108 D_26.1 188.3,108 187,109.3 185.8,109.3 184.5,108 D_25.1 174.3,108 173,109.3 171.8,109.3 170.5,108 D_24.1 160.3,108 159,109.3 157.8,109.3 156.5,108 D_23.1 146.3,108 145,109.3 143.8,109.3 142.5,108 D_22.1 132.3,108 131,109.3 129.8,109.3 128.5,108 D_21.1 118.3,108 117,109.3 115.8,109.3 114.5,108 D_20.1 104.3,108 103,109.3 101.8,109.3 100.5,108 D_19.1 90.3,108 89,109.3 87.8,109.3 86.5,108 D_18.1 76.3,108 75,109.3 73.8,109.3 72.5,108 D_17.1 62.3,108 61,109.3 59.8,109.3 58.5,108 D_16.1 48.3,108 47,109.3 45.8,109.3 44.5,108 D_15.1 ; 208.02,107.95 212.52,107.95 213.82,109.25 215.02,109.25 216.32,107.95 222.02,107.95 ; U1.16 241.64,115.25 239.74,115.25 236.64,112.15 230.51,112.15 226.3,107.94 D_28.1
row2: length 230.3
  Bottom w0.25: D_29.1 44.5,113 45.8,114.3 47,114.3 48.3,113 D_30.1 58.5,113 59.8,114.3 61,114.3 62.3,113 D_31.1 72.5,113 73.8,114.3 75,114.3 76.3,113 D_32.1 86.5,113 87.8,114.3 89,114.3 90.3,113 D_33.1 100.5,113 101.8,114.3 103,114.3 104.3,113 D_34.1 114.5,113 115.8,114.3 117,114.3 118.3,113 D_35.1 128.5,113 129.8,114.3 131,114.3 132.3,113 D_36.1 142.5,113 143.8,114.3 145,114.3 146.3,113 D_37.1 156.5,113 157.8,114.3 159,114.3 160.3,113 D_38.1 170.5,113 171.8,114.3 173,114.3 174.3,113 D_39.1 184.5,113 185.8,114.3 187,114.3 188.3,113 D_40.1 198.5,113 199.8,114.3 201,114.3 202.3,113 D_41.1 212.5,113 213.8,114.3 215,114.3 216.3,113 D_42.1 230.15,113 230.55,112.6 236.45,112.6 U1.17
row3: length 225.5
  Bottom w0.25: D_43.1 30.5,118 31.8,119.3 33,119.3 34.3,118 D_44.1 44.5,118 45.8,119.3 47,119.3 48.3,118 D_45.1 58.5,118 59.8,119.3 61,119.3 62.3,118 D_46.1 72.5,118 73.8,119.3 75,119.3 76.3,118 D_47.1 86.5,118 87.8,119.3 89,119.3 90.3,118 D_48.1 100.5,118 101.8,119.3 103,119.3 104.3,118 D_49.1 114.5,118 115.8,119.3 117,119.3 118.3,118 D_50.1 128.5,118 129.8,119.3 131,119.3 132.3,118 D_51.1 142.5,118 143.8,119.3 145,119.3 146.3,118 D_52.1 156.5,118 157.8,119.3 159,119.3 160.3,118 D_53.1 170.5,118 171.8,119.3 173,119.3 174.3,118 D_54.1 184.44,118 185.74,119.3 186.94,119.3 188.24,118 D_55.1 194.76,117.24 210.76,117.24 213.25,114.75 223.5,114.75 224.8,113.45 232.22,113.45 U1.19
row4: length 221.9
  Bottom w0.25: U1.20 232.87,114.74 232.03,113.9 225.1,113.9 222.8,116.2 D_63.1 216.82,116.2 215.33,117.69 198.55,117.69 194,122.24 D_62.1 188.24,123 186.94,124.3 185.74,124.3 184.44,123 D_61.1 174.3,123 173,124.3 171.8,124.3 170.5,123 D_60.1 160.3,123 159,124.3 157.8,124.3 156.5,123 118.31,123 117.01,124.3 115.81,124.3 114.51,123 D_59.1 104.3,123 103,124.3 101.8,124.3 100.5,123 96,123 ; D_56.1 30.5,123 31.8,124.3 33,124.3 34.3,123 D_57.1 58.5,123 59.8,124.3 61,124.3 62.3,123 D_58.1 86.5,123 87.8,124.3 89,124.3 90.3,123 95.99,123
RUNPIN: length 33.2
  Top w0.25: SW1.1 SW1.1' 278.45,86.8 270.75,94.5 257.02,94.5 255.73,95.8 255.73,96.77
USB2_N: length 76.9
  Top w0.25: USB1.B7 225.07,118.26 226.64,116.7 v1(228.1,116.7) ; 281.7,106.16 281.7,104.05 281,103.35 271.25,103.35 261.65,112.95 258.75,112.95 arc(258.54,112.86) 258.45,112.65 258.45,112.45 arc(258.36,112.24) 258.15,112.15 arc(257.94,112.24) 257.85,112.45 257.85,112.65 arc(257.76,112.86) 257.55,112.95 arc(257.34,112.86) 257.25,112.65 257.25,112.45 arc(257.16,112.24) 256.95,112.15 arc(256.74,112.24) 256.65,112.45 256.65,112.65 arc(256.56,112.86) 256.35,112.95 243.71,112.95 242.61,114.05 227.65,114.05 v1(226.3,115.4) 226.3,115.76 224.07,117.99 USB1.A7
  Bottom w0.25: v1(228.1,116.7) 226.8,115.4 v1(226.3,115.4)
USB2_P: length 68.3
  Top w0.25: USB1.B6 223.57,120.5 224.57,120.5 USB1.A6 224.57,118.12 228.2,114.5 242.8,114.5 243.5,113.8 256.3,113.8 arc(256.51,113.89) 256.6,114.1 256.6,114.34 arc(256.69,114.56) 256.9,114.64 arc(257.11,114.56) 257.2,114.34 257.2,114.1 arc(257.29,113.89) 257.5,113.8 280.3,113.8 281.7,112.4 281.7,109.34
Net-(5.1K1-Pad1): length 16.6
  Top w0.15: USB1.A5 225.57,120.09 225.65,120.16 225.98,120.16 v1(226.1,120.29)
  Bottom w0.25: 5.1K1.1 214.85,120.85 217.04,118.66 221.52,118.66 222.46,119.61 225.42,119.61 v1(226.1,120.29)
Net-(5.1K2-Pad2): length 14.8
  Top w0.15: v1(222.58,120.36) 222.57,120.35 USB1.B5
  Bottom w0.25: 5.1K2.2 214.87,123.86 217.37,121.36 217.37,119.54 217.8,119.11 221.33,119.11 v1(222.58,120.36)
Net-(D_1-Pad2): length 18.7
  Top w0.25: 13.53,88.78 13.53,90.07 20.9,97.45 20.9,101.17 19.08,103 D_1.2
Net-(D_2-Pad2): length 16.2
  Top w0.25: 32.58,88.78 30.11,91.23 30.11,100.73 D_2.2
Net-(D_3-Pad2): length 16.4
  Top w0.25: 51.62,88.78 51.62,97.75 D_3.2
Net-(D_4-Pad2): length 23.6
  Top w0.25: D_4.2 60.38,90.32 61.93,88.78 70.68,88.78
Net-(D_5-Pad2): length 24.1
  Top w0.25: 89.72,88.78 83.72,88.78 74.38,98.12 D_5.2
Net-(D_6-Pad2): length 28.6
  Top w0.25: D_6.2 88.38,99.03 98.63,88.78 108.78,88.78
Net-(D_7-Pad2): length 31.2
  Top w0.25: 102.38,102.62 116.22,88.78 127.82,88.78
Net-(D_8-Pad2): length 38.5
  Top w0.25: D_8.2 116.38,99.47 118.09,97.75 126.94,97.75 135.92,88.78 146.88,88.78
Net-(D_9-Pad2): length 45
  Top w0.25: D_9.2 130.38,101.16 131.98,99.55 154.24,99.55 156.51,97.28 161.67,97.28 165.93,93.03 165.93,88.78
Net-(D_10-Pad2): length 49.6
  Top w0.25: D_10.2 146.03,101.35 154.98,101.35 157.25,99.08 168.05,99.08 170.45,96.68 182.44,96.68 184.98,94.14 184.98,88.78
Net-(D_11-Pad2): length 54
  Top w0.25: 204.02,88.78 204.02,92.92 199.17,97.78 184.52,97.78 183.37,98.93 171.38,98.93 168.98,101.33 160.06,101.33 D_11.2
Net-(D_12-Pad2): length 58.9
  Top w0.25: 223.07,88.78 223.07,92.8 219.75,96.13 212.57,96.13 208.67,100.03 185.45,100.03 184.3,101.17 174.21,101.17 D_12.2
Net-(D_13-Pad2): length 61.5
  Top w0.25: 241.9,88.55 233.44,88.55 224.51,97.48 213.12,97.48 209.22,101.38 188,101.38 D_13.2
Net-(D_14-Pad2): length 64.1
  Top w0.25: 270.7,88.78 270.7,90.85 267.5,94.05 256.84,94.05 255.61,95.28 231.8,95.28 226,101.07 215.1,101.08 214.38,101.8 D_14.2
Net-(D_15-Pad2): length 40.8
  Top w0.25: D_15.2 21.35,105.03 21.35,97.26 18.29,94.2 K_15.2
Net-(D_16-Pad2): length 42.1
  Top w0.25: K_16.2 39.64,72.19 39.64,98.37 42.5,101.23 42.5,104.12 D_16.2
Net-(D_17-Pad2): length 41
  Top w0.25: K_17.2 61.15,72.12 57.5,75.78 57.5,105.12 D_17.2
Net-(D_18-Pad2): length 43.5
  Top w0.25: K_18.2 77.8,72.12 77.8,93.97 71,100.77 71,104.62 D_18.2
Net-(D_19-Pad2): length 45.2
  Top w0.25: K_19.2 97.87,71.1 97.87,73.63 95.55,75.95 95.55,91.22 85.5,101.27 85.5,105.12 D_19.2
Net-(D_20-Pad2): length 48.2
  Top w0.25: K_20.2 118.3,72.58 114.55,76.32 114.55,89.81 102.89,101.47 101.56,101.47 99.35,103.69 99.35,104.97 D_20.2
Net-(D_21-Pad2): length 53.4
  Top w0.25: K_21.2 137.35,72.75 131.57,78.53 131.57,92.49 126.76,97.3 117.91,97.3 114.88,100.34 114.88,106.5 D_21.2
Net-(D_22-Pad2): length 58.8
  Top w0.25: K_22.2 156.4,75.08 153.02,78.45 153.02,92.44 146.36,99.1 131.8,99.1 128.9,102 128.9,106.52 D_22.2
Net-(D_23-Pad2): length 65
  Top w0.25: D_23.2 142.97,106.59 142.97,101.78 143.85,100.9 154.8,100.9 157.07,98.63 167.86,98.63 171.8,94.69 171.8,77.38 175.45,73.72 K_23.2
Net-(D_24-Pad2): length 69.6
  Top w0.25: K_24.2 194.5,74.33 191.57,77.25 191.57,93.3 187.55,97.33 184.33,97.33 183.18,98.48 171.19,98.48 168.8,100.88 158,100.88 156.97,101.9 156.97,106.59 D_24.2
Net-(D_25-Pad2): length 77.3
  Top w0.25: D_25.2 170.78,106.4 170.78,102.08 172.12,100.73 184.11,100.73 185.26,99.58 208.48,99.58 210.73,97.33 210.73,77.4 213.55,74.58 K_25.2
Net-(D_26-Pad2): length 78.8
  Top w0.25: D_26.2 184.98,106.59 184.98,101.78 185.82,100.93 209.04,100.93 212.94,97.03 224.2,97.03 229.25,91.97 229.25,77.88 232.6,74.53 K_26.2
Net-(D_27-Pad2): length 84.4
  Top w0.25: D_27.2 201.83,106.55 206.59,106.55 213.87,99.28 225.26,99.28 231.06,93.48 246.79,93.48 258.1,82.16 258.1,74.62 253.21,69.72 K_27.2
Net-(D_28-Pad2): length 91.5
  Top w0.25: K_28.2 273.73,71.47 273.73,76.1 269.52,80.3 269.52,87.17 268.93,87.78 268.93,91.99 267.31,93.6 256.65,93.6 255.43,94.83 231.61,94.83 225.81,100.63 214.42,100.63 212.98,102.08 212.98,106.52 D_28.2
Net-(D_29-Pad2): length 65.8
  Top w0.25: K_30.2 20.67,70.53 18.74,72.46 18.74,94.01 21.8,97.07 21.8,109.58 D_29.2
Net-(D_30-Pad2): length 85.2
  Top w0.25: K_31.2 32.25,50.67 29.32,53.6 29.32,72.19 39.19,82.06 39.19,98.55 42,101.36 42,108.62 D_30.2
Net-(D_31-Pad2): length 79.1
  Top w0.25: D_31.2 57,109.62 57,80.08 48.97,72.05 48.97,59.08 57.38,50.67 K_32.2
Net-(D_32-Pad2): length 85.6
  Top w0.25: D_32.2 70.5,109.12 70.5,100.64 77.35,93.79 77.35,82.96 65.75,71.36 65.75,59.56 74.64,50.67 K_33.2
Net-(D_33-Pad2): length 85.6
  Top w0.25: K_34.2 93.55,50.67 85.62,58.6 85.62,69.48 95.1,78.95 95.1,91.04 85,101.14 85,109.62 D_33.2
Net-(D_34-Pad2): length 88.2
  Top w0.25: K_35.2 112.15,50.67 105.27,57.55 105.27,70.88 114.06,79.66 114.06,89.67 102.7,101.03 101.38,101.03 98.9,103.5 98.9,109.52 D_34.2
Net-(D_35-Pad2): length 92.3
  Top w0.25: K_36.2 131.65,50.67 123.45,58.87 123.45,73.9 131.12,81.58 131.12,92.3 126.57,96.85 117.72,96.85 114.43,100.15 114.43,111.05 D_35.2
Net-(D_36-Pad2): length 100.8
  Top w0.25: D_36.2 128.45,111.07 128.45,101.81 131.61,98.65 146.17,98.65 152.57,92.25 152.57,79.59 141.95,68.96 141.95,58.24 149.51,50.67 K_37.2
Net-(D_37-Pad2): length 106.4
  Top w0.25: D_37.2 142.53,111.15 142.53,101.59 143.66,100.45 154.61,100.45 156.88,98.18 167.68,98.18 171.35,94.51 171.35,80.66 161.42,70.74 161.42,57.96 168.71,50.67 K_38.2
Net-(D_38-Pad2): length 110.9
  Top w0.25: K_39.2 187.92,50.67 181.15,57.45 181.15,73.08 191.13,83.05 191.13,93.11 187.36,96.88 184.15,96.88 183,98.03 171.01,98.03 168.61,100.43 157.81,100.43 156.53,101.71 156.53,111.15 D_38.2
Net-(D_39-Pad2): length 119
  Top w0.25: K_40.2 207.62,50.67 199.3,59 199.3,73.33 210.28,84.3 210.28,97.15 208.29,99.13 185.08,99.13 183.93,100.28 171.94,100.28 170.33,101.89 170.33,110.95 D_39.2
Net-(D_40-Pad2): length 120.9
  Top w0.25: K_41.2 225.07,50.67 218.5,57.25 218.5,72.8 228.8,83.1 228.8,91.79 224.01,96.58 212.75,96.58 208.85,100.48 185.64,100.48 184.53,101.59 184.53,111.15 D_40.2
Net-(D_41-Pad2): length 107.3
  Top w0.25: D_41.2 198.7,111.32 198.7,106.97 199.57,106.1 206.41,106.1 213.68,98.83 225.07,98.83 230.87,93.03 243.24,93.03 245.32,90.94 245.32,82.35 242.3,79.33 242.3,70.95 238.67,67.33 238.67,57.7 244.5,51.88 K_42.2
Net-(D_42-Pad2): length 116.5
  Top w0.25: D_42.2 212.53,111.15 212.53,101.89 214.24,100.18 225.63,100.18 225.89,99.91 231.43,94.38 247.16,94.38 259,82.54 259,52.4 ; K_43.2 273.49,48.28 269.8,48.28 267.43,50.65 260.75,50.65 K_29.2
Net-(D_43-Pad2): length 101.3
  Top w0.25: D_43.2 22.25,114.13 22.25,96.89 19.19,93.82 19.19,72.65 21.12,70.72 21.12,54.91 23.35,52.67 23.35,40.39 25.4,38.34 K_44.2
  Bottom w0.25: K_45.2 25.38,31.62
Net-(D_44-Pad2): length 105.1
  Top w0.25: 35.78,23.19 35.78,35.75 27.97,43.55 27.97,72.75 37.84,82.61 37.84,96.36 36.65,97.55 36.65,115.02 33.67,118 D_44.2
Net-(D_45-Pad2): length 113.9
  Top w0.25: K_47.2 41.17,31.62 28.87,43.92 28.87,72.38 38.74,82.24 38.74,98.74 41.5,101.5 41.5,113.12 D_45.2
Net-(D_46-Pad2): length 112.1
  Top w0.25: D_46.2 56.5,114.12 56.5,80.21 48.53,72.24 48.53,58.89 52.9,54.51 52.9,40.35 53.9,39.35 58.71,39.35 62.95,35.11 62.95,32.4 63.72,31.62 K_48.2
Net-(D_47-Pad2): length 116.8
  Top w0.25: K_49.2 84.95,31.62 78.95,37.62 73.4,37.62 69.95,41.08 69.95,54.72 65.3,59.38 65.3,71.55 76.9,83.15 76.9,93.6 70,100.5 70,113.62 D_47.2
Net-(D_48-Pad2): length 115.8
  Top w0.25: K_50.2 99.94,31.62 90.77,40.79 90.77,52.81 85.17,58.41 85.17,69.66 94.65,79.14 94.65,90.85 84.5,101 84.5,114.12 D_48.2
Net-(D_49-Pad2): length 117.5
  Top w0.25: D_49.2 98.45,114.07 98.45,103.31 101.19,100.58 102.52,100.58 113.61,89.48 113.61,79.85 104.82,71.06 104.82,57.36 109.52,52.66 109.52,42.16 120.06,31.62 K_51.2
Net-(D_50-Pad2): length 122.6
  Top w0.25: D_50.2 113.98,115.6 113.98,99.96 117.53,96.41 126.38,96.41 130.65,92.14 130.65,81.74 123,74.09 123,58.69 128.1,53.59 128.1,41.39 129.34,40.14 129.44,40.14 137.96,31.62 K_52.2
Net-(D_51-Pad2): length 131.4
  Top w0.25: K_53.2 161.25,31.62 156.07,36.8 150.1,36.8 146.82,40.08 146.82,52.72 141.5,58.05 141.5,69.15 152.12,79.78 152.12,92.06 145.99,98.2 131.43,98.2 127.97,101.65 127.97,115.59 D_51.2
Net-(D_52-Pad2): length 136.4
  Top w0.25: K_54.2 181.7,31.62 175.35,37.97 169.03,37.97 166.22,40.78 166.22,52.53 160.97,57.78 160.97,70.92 170.9,80.85 170.9,94.32 167.49,97.73 156.7,97.73 154.42,100 143.48,100 142.08,101.4 142.08,115.7 D_52.2
Net-(D_53-Pad2): length 140.8
  Top w0.25: D_53.2 156.08,115.7 156.08,101.53 157.63,99.98 168.42,99.98 170.82,97.58 182.81,97.58 183.96,96.43 187.17,96.43 190.68,92.93 190.68,83.24 180.7,73.26 180.7,57.26 185.82,52.14 185.82,40.74 194.94,31.62 K_55.2
Net-(D_54-Pad2): length 149.5
  Top w0.25: D_54.2 169.88,115.5 169.88,101.7 171.75,99.83 183.74,99.83 184.89,98.68 208.11,98.68 209.83,96.96 209.83,84.49 198.85,73.51 198.85,58.81 203.57,54.09 203.57,41.56 213.51,31.62 K_56.2
Net-(D_55-Pad2): length 156.7
  Top w0.25: D_55.2 188.45,115.92 194.67,115.92 198.25,112.35 198.25,106.79 199.39,105.65 206.22,105.65 213.49,98.38 224.88,98.38 230.68,92.58 243.05,92.58 244.87,90.76 244.87,82.54 241.85,79.51 241.85,71.14 238.22,67.51 238.22,57.51 242.3,53.44 242.3,33.55 244.23,31.62 K_57.2
Net-(D_56-Pad2): length 123.1
  Top w0.25: D_56.2 22.7,118.68 22.7,96.7 19.64,93.64 19.64,72.84 21.57,70.9 21.57,55.09 23.8,52.86 23.8,40.58 29.4,34.97 29.4,30.53 28.28,29.4 28.28,24.94 K_58.2
Net-(D_57-Pad2): length 122.3
  Top w0.25: K_59.2 39.72,18.74 40.9,19.93 40.9,31.26 28.42,43.74 28.42,72.56 38.29,82.43 38.29,96.55 37.1,97.74 37.1,118.97 33.08,123
Net-(D_58-Pad2): length 124.7
  Top w0.25: K_60.2 62.5,13.61 62.5,34.93 58.53,38.9 53.71,38.9 52.43,40.19 52.43,54.35 48.08,58.7 48.08,72.42 56.05,80.4 56.05,111.58 56.05,118.67 D_58.2
Net-(D_59-Pad2): length 140.7
  Top w0.25: K_61.2 126.55,12.57 121.8,17.32 121.8,18.95 119.47,21.28 119.18,21.28 118.35,22.1 118.35,32.7 109.07,41.97 109.07,52.47 104.38,57.17 104.38,71.25 113.16,80.04 113.16,89.29 102.33,100.13 101,100.13 98,103.13 98,118.62 D_59.2
Net-(D_60-Pad2): length 161.3
  Top w0.25: D_60.2 155.63,120.25 155.63,101.34 157.44,99.53 168.24,99.53 170.63,97.13 182.62,97.13 183.77,95.98 186.99,95.98 190.23,92.74 190.23,83.43 180.25,73.45 180.25,57.08 185.38,51.95 185.38,40.55 194.62,31.3 194.62,15.43 197.48,12.57 K_62.2
Net-(D_61-Pad2): length 173.1
  Top w0.25: K_63.2 218.95,12.57 212.88,18.65 212.88,31.62 203.12,41.38 203.12,53.9 198.4,58.62 198.4,73.7 209.38,84.68 209.38,96.77 207.92,98.23 184.7,98.23 183.56,99.38 171.57,99.38 169.43,101.52 169.43,120.05 D_61.2
Net-(D_62-Pad2): length 174.9
  Top w0.25: K_64.2 244.57,12.57 241.85,15.3 241.85,53.25 237.77,57.33 237.77,67.7 241.4,71.33 241.4,79.7 244.43,82.72 244.43,89.53 242.9,91.05 240.9,91.05 238.85,89 233.63,89 224.7,97.93 213.31,97.93 206.03,105.2 199.17,105.2 197.8,106.57 197.8,112.16 194.48,115.48 185.82,115.48 184.8,116.5 184.8,121.42 D_62.2
Net-(D_63-Pad2): length 149
  Top w0.25: D_63.2 212.08,113.9 212.08,101.7 214.05,99.73 225.44,99.73 231.24,93.93 246.97,93.93 258.55,82.35 258.55,55.03 257.05,53.53 257.05,50.85 259.75,48.15 259.75,40.5 277.84,22.41 K_65.2
Net-(D_590-Pad2): length 128.5
  Top w0.25: D_590.2 84.05,118.66 84.05,105.59 84.04,105.58 84.04,100.83 94.2,90.66 94.2,79.32 84.72,69.85 84.72,58.22 90.32,52.62 90.32,40.6 99.45,31.47 99.45,27.93 94.49,22.96 K_610.2
Net-(D_591-Pad2): length 163.8
  Top w0.25: D_591.2 113.53,120.14 113.53,99.77 117.34,95.96 126.2,95.96 130.2,91.95 130.2,81.92 122.55,74.27 122.55,58.5 127.65,53.4 127.65,41.2 130.95,37.9 131.05,37.9 137.25,31.7 137.25,28.53 140.38,25.4 142.95,25.4 149.75,18.6 149.75,15.35 152.53,12.57 K_612.2

## Copper pours and planes (outline as drawn; the poured copper is in the pictures)
GND on Top, Bottom: 283,0 0,0 0,126.6 283,126.6

## Text on the board
B.Silkscreen: Parts Needed: / 70x 1n4148 Diodes / 2x  5.1K 1/4W resistors / 70x switches / 7x  2u Kailh Choc stabilizers (or 1x6.25u + 4x 2u stabs) / 1x  Raspberry Pi Pico / 2x  1x20 Male and/or female headers / 10x M2 mounting hardware. / 1x Type-C-31-M-14 | https://github.com/Envious-Data/Env-KB60F
F.Silkscreen: FIRMWARE | All diodes on this board have / the same orientation | Diodes will usually have a stripe on one side. / that side is the cathode side. | The Raspberry Pi Pico should / be soldered with the usb to the right | If you are using "5 Pin" switches / please ensure they are popped into / the PCB properly before soldering | RESET MCU | 5.1K | Env-KB60F / Rev-1.2
